# KiCad board oresat-backplane-2u.kicad_pcb (continued)
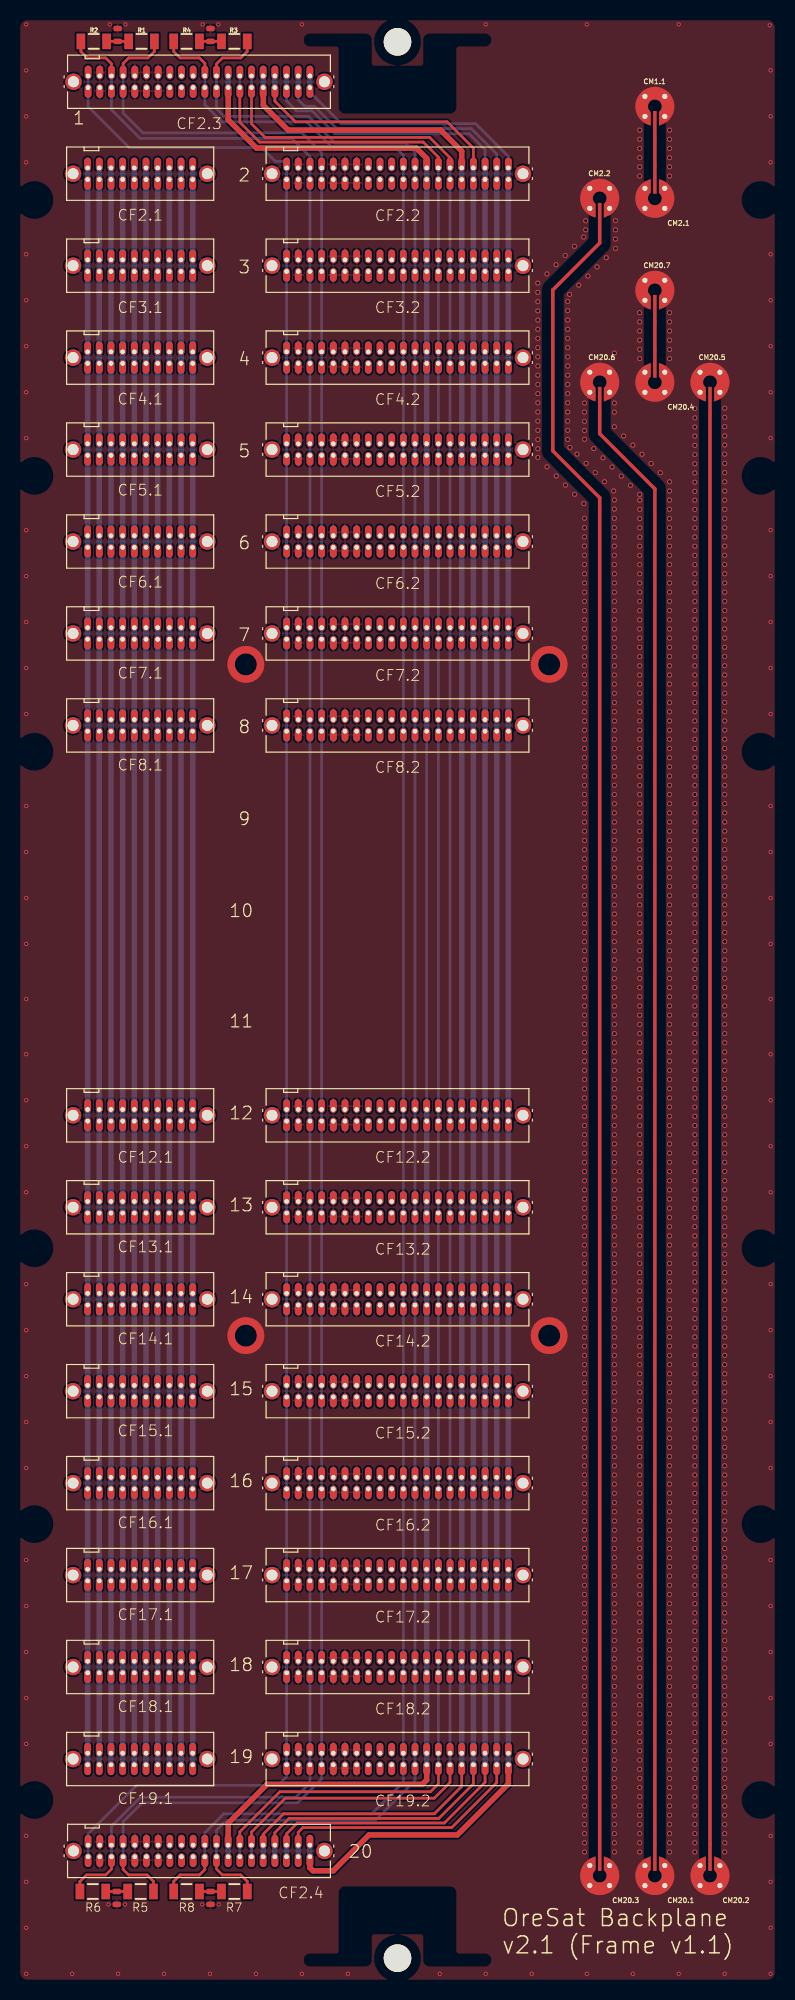
[diagram p0: board, top side]
## Routing (per net, layer and track width the routed paths; a pad name or vN(x,y) marks a point on that pad's centre or on a via; arc(x,y) is an arc through that point)
GND:
  vias: v1(56.52,184.71) v1(56.52,183.71) v1(56.52,182.69) v1(56.52,181.69) v1(56.52,180.69) v1(56.52,179.69) v1(56.52,178.69) v1(56.52,177.69) v1(56.52,176.69) v1(56.52,175.69) v1(56.52,174.69) v1(56.52,173.69) v1(56.52,172.69) v1(56.52,171.7) v1(56.52,170.7) v1(56.52,169.7) v1(56.52,168.7) v1(56.52,167.7) v1(56.52,166.7) v1(56.52,165.75) v1(57.51,185.72) v1(57.52,164.74) v1(58.5,186.71) v1(58.52,163.74) v1(59.5,187.71) v1(59.52,162.74) v1(59.77,182.71) v1(59.77,181.71) v1(59.77,180.7) v1(59.77,179.7) v1(59.77,178.7) v1(59.77,177.7) v1(59.77,176.7) v1(59.77,175.7) v1(59.77,174.7) v1(59.77,173.7) v1(59.77,172.7) v1(59.77,171.7) v1(59.77,170.7) v1(59.77,169.7) v1(59.77,168.7) v1(59.77,167.71) v1(59.97,183.48) v1(60.01,166.84) v1(60.5,188.71) v1(60.52,161.74) v1(60.77,166.11) v1(60.97,184.48) v1(61.51,189.72) v1(61.52,160.74) v1(61.6,171.68) v1(61.6,170.68) v1(61.6,169.68) v1(61.6,168.68) v1(61.6,167.73) v1(61.6,159.14) v1(61.6,158.12) v1(61.6,157.12) v1(61.6,156.12) v1(61.6,155.12) v1(61.6,154.12) v1(61.6,153.1) v1(61.6,152.1) v1(61.6,151.1) v1(61.6,150.1) v1(61.6,149.1) v1(61.6,148.1) v1(61.6,147.1) v1(61.6,146.1) v1(61.6,145.1) v1(61.6,144.1) v1(61.6,143.1) v1(61.6,142.1) v1(61.6,141.1) v1(61.6,140.1) v1(61.6,139.1) v1(61.6,138.1) v1(61.6,137.1) v1(61.6,136.1) v1(61.6,135.1) v1(61.6,134.1) v1(61.6,133.1) v1(61.6,132.1) v1(61.6,131.1) v1(61.6,130.1) v1(61.6,129.1) v1(61.6,128.1) v1(61.6,127.1) v1(61.6,126.1) v1(61.6,125.1) v1(61.6,124.1) v1(61.6,123.1) v1(61.6,122.1) v1(61.6,121.1) v1(61.6,120.1) v1(61.6,119.1) v1(61.6,118.1) v1(61.6,117.1) v1(61.6,116.1) v1(61.6,115.1) v1(61.6,114.1) v1(61.6,113.1) v1(61.6,112.1) v1(61.6,111.1) v1(61.6,110.1) v1(61.6,109.1) v1(61.6,108.1) v1(61.6,107.1) v1(61.6,106.1) v1(61.6,105.1) v1(61.6,104.1) v1(61.6,103.1) v1(61.6,102.1) v1(61.6,101.1) v1(61.6,100.1) v1(61.6,99.1) v1(61.6,98.1) v1(61.6,97.1) v1(61.6,96.1) v1(61.6,95.1) v1(61.6,94.1) v1(61.6,93.1) v1(61.6,92.1) v1(61.6,91.1) v1(61.6,90.1) v1(61.6,89.1) v1(61.6,88.1) v1(61.6,87.1) v1(61.6,86.1) v1(61.6,85.1) v1(61.6,84.1) v1(61.6,83.1) v1(61.6,82.1) v1(61.6,81.1) v1(61.6,80.1) v1(61.6,79.1) v1(61.6,78.1) v1(61.6,77.1) v1(61.6,76.1) v1(61.6,75.1) v1(61.6,74.1) v1(61.6,73.1) v1(61.6,72.1) v1(61.6,71.1) v1(61.6,70.1) v1(61.6,69.1) v1(61.6,68.1) v1(61.6,67.1) v1(61.6,66.1) v1(61.6,65.1) v1(61.6,64.1) v1(61.6,63.1) v1(61.6,62.1) v1(61.6,61.1) v1(61.6,60.1) v1(61.6,59.1) v1(61.6,58.1) v1(61.6,57.1) v1(61.6,56.1) v1(61.6,55.1) v1(61.6,54.1) v1(61.6,53.1) v1(61.6,52.1) v1(61.6,51.1) v1(61.6,50.1) v1(61.6,49.1) v1(61.6,48.1) v1(61.6,47.1) v1(61.6,46.1) v1(61.6,45.1) v1(61.6,44.1) v1(61.6,43.1) v1(61.6,42.1) v1(61.6,41.1) v1(61.6,40.1) v1(61.6,39.1) v1(61.6,38.1) v1(61.6,37.1) v1(61.6,36.1) v1(61.6,35.1) v1(61.6,34.1) v1(61.6,33.1) v1(61.6,32.1) v1(61.6,31.1) v1(61.6,30.1) v1(61.6,29.1) v1(61.6,28.1) v1(61.6,27.1) v1(61.6,26.1) v1(61.6,25.1) v1(61.6,24.1) v1(61.6,23.1) v1(61.6,22.1) v1(61.6,21.1) v1(61.6,20.1) v1(61.6,19.1) v1(61.6,18.1) v1(61.6,17.1) v1(61.6,16.1) v1(61.6,15.1) v1(61.6,14.1) v1(61.72,191.5) v1(61.72,190.51) v1(61.77,165.11) v1(61.97,185.48) v1(62.6,166.71) v1(62.77,164.12) v1(62.97,186.48) v1(63.6,165.71) v1(63.77,163.12) v1(63.97,187.48) v1(64.6,164.72) v1(64.77,162.12) v1(64.85,177.1) v1(64.85,171.68) v1(64.85,170.68) v1(64.85,169.1) v1(64.85,161.13) v1(64.85,160.13) v1(64.85,159.13) v1(64.85,158.11) v1(64.85,157.11) v1(64.85,156.11) v1(64.85,155.11) v1(64.85,154.11) v1(64.85,153.1) v1(64.85,152.1) v1(64.85,151.1) v1(64.85,150.1) v1(64.85,149.1) v1(64.85,148.1) v1(64.85,147.1) v1(64.85,146.1) v1(64.85,145.1) v1(64.85,144.1) v1(64.85,143.1) v1(64.85,142.1) v1(64.85,141.1) v1(64.85,140.1) v1(64.85,139.1) v1(64.85,138.1) v1(64.85,137.1) v1(64.85,136.1) v1(64.85,135.1) v1(64.85,134.1) v1(64.85,133.1) v1(64.85,132.1) v1(64.85,131.1) v1(64.85,130.1) v1(64.85,129.1) v1(64.85,128.1) v1(64.85,127.1) v1(64.85,126.1) v1(64.85,125.1) v1(64.85,124.1) v1(64.85,123.1) v1(64.85,122.1) v1(64.85,121.1) v1(64.85,120.1) v1(64.85,119.1) v1(64.85,118.1) v1(64.85,117.1) v1(64.85,116.1) v1(64.85,115.1) v1(64.85,114.1) v1(64.85,113.1) v1(64.85,112.1) v1(64.85,111.1) v1(64.85,110.1) v1(64.85,109.1) v1(64.85,108.1) v1(64.85,107.1) v1(64.85,106.1) v1(64.85,105.1) v1(64.85,104.1) v1(64.85,103.1) v1(64.85,102.1) v1(64.85,101.1) v1(64.85,100.1) v1(64.85,99.1) v1(64.85,98.1) v1(64.85,97.1) v1(64.85,96.1) v1(64.85,95.1) v1(64.85,94.1) v1(64.85,93.1) v1(64.85,92.1) v1(64.85,91.1) v1(64.85,90.1) v1(64.85,89.1) v1(64.85,88.1) v1(64.85,87.1) v1(64.85,86.1) v1(64.85,85.1) v1(64.85,84.1) v1(64.85,83.1) v1(64.85,82.1) v1(64.85,81.1) v1(64.85,80.1) v1(64.85,79.1) v1(64.85,78.1) v1(64.85,77.1) v1(64.85,76.1) v1(64.85,75.1) v1(64.85,74.1) v1(64.85,73.1) v1(64.85,72.1) v1(64.85,71.1) v1(64.85,70.1) v1(64.85,69.1) v1(64.85,68.1) v1(64.85,67.1) v1(64.85,66.1) v1(64.85,65.1) v1(64.85,64.1) v1(64.85,63.1) v1(64.85,62.1) v1(64.85,61.1) v1(64.85,60.1) v1(64.85,59.1) v1(64.85,58.1) v1(64.85,57.1) v1(64.85,56.1) v1(64.85,55.1) v1(64.85,54.1) v1(64.85,53.1) v1(64.85,52.1) v1(64.85,51.1) v1(64.85,50.1) v1(64.85,49.1) v1(64.85,48.1) v1(64.85,47.1) v1(64.85,46.1) v1(64.85,45.1) v1(64.85,44.1) v1(64.85,43.1) v1(64.85,42.1) v1(64.85,41.1) v1(64.85,40.1) v1(64.85,39.1) v1(64.85,38.1) v1(64.85,37.1) v1(64.85,36.1) v1(64.85,35.1) v1(64.85,34.1) v1(64.85,33.1) v1(64.85,32.1) v1(64.85,31.1) v1(64.85,30.1) v1(64.85,29.1) v1(64.85,28.1) v1(64.85,27.1) v1(64.85,26.1) v1(64.85,25.1) v1(64.85,24.1) v1(64.85,23.1) v1(64.85,22.1) v1(64.85,21.1) v1(64.85,20.1) v1(64.85,19.1) v1(64.85,18.1) v1(64.85,17.1) v1(64.85,16.1) v1(64.85,15.1) v1(64.85,14.1) v1(64.97,191.51) v1(64.97,190.51) v1(64.97,189.49) v1(64.97,188.48) v1(65.6,163.72) v1(65.85,168.09) v1(66.6,162.72) v1(66.85,167.09) v1(67.6,201.35) v1(67.6,200.35) v1(67.6,199.35) v1(67.6,198.35) v1(67.6,197.35) v1(67.6,196.35) v1(67.6,181.5) v1(67.6,180.5) v1(67.6,179.5) v1(67.6,178.5) v1(67.6,177.5) v1(67.6,176.5) v1(67.59,161.73) v1(67.61,161.1) v1(67.61,160.1) v1(67.61,159.1) v1(67.61,158.1) v1(67.62,157.09) v1(67.6,156.1) v1(67.6,155.1) v1(67.6,154.1) v1(67.6,153.1) v1(67.6,152.1) v1(67.6,151.1) v1(67.6,150.1) v1(67.6,149.1) v1(67.6,148.1) v1(67.6,147.1) v1(67.6,146.1) v1(67.6,145.1) v1(67.6,144.1) v1(67.6,143.1) v1(67.6,142.1) v1(67.6,141.1) v1(67.6,140.1) v1(67.6,139.1) v1(67.6,138.1) v1(67.6,137.1) v1(67.6,136.1) v1(67.6,135.1) v1(67.6,134.1) v1(67.6,133.1) v1(67.6,132.1) v1(67.6,131.1) v1(67.6,130.1) v1(67.6,129.1) v1(67.6,128.1) v1(67.6,127.1) v1(67.6,126.1) v1(67.6,125.1) v1(67.6,124.1) v1(67.6,123.1) v1(67.6,122.1) v1(67.6,121.1) v1(67.6,120.1) v1(67.6,119.1) v1(67.6,118.1) v1(67.6,117.1) v1(67.6,116.1) v1(67.6,115.1) v1(67.6,114.1) v1(67.6,113.1) v1(67.6,112.1) v1(67.6,111.1) v1(67.6,110.1) v1(67.6,109.1) v1(67.6,108.1) v1(67.6,107.1) v1(67.6,106.1) v1(67.6,105.1) v1(67.6,104.1) v1(67.6,103.1) v1(67.6,102.1) v1(67.6,101.1) v1(67.6,100.1) v1(67.6,99.1) v1(67.6,98.1) v1(67.6,97.1) v1(67.6,96.1) v1(67.6,95.1) v1(67.6,94.1) v1(67.6,93.1) v1(67.6,92.1) v1(67.6,91.1) v1(67.6,90.1) v1(67.6,89.1) v1(67.6,88.1) v1(67.6,87.1) v1(67.6,86.1) v1(67.6,85.1) v1(67.6,84.1) v1(67.6,83.1) v1(67.6,82.1) v1(67.6,81.1) v1(67.6,80.1) v1(67.6,79.1) v1(67.6,78.1) v1(67.6,77.1) v1(67.6,76.1) v1(67.6,75.1) v1(67.6,74.1) v1(67.6,73.1) v1(67.6,72.1) v1(67.6,71.1) v1(67.6,70.1) v1(67.6,69.1) v1(67.6,68.1) v1(67.6,67.1) v1(67.6,66.1) v1(67.6,65.1) v1(67.6,64.1) v1(67.6,63.1) v1(67.6,62.1) v1(67.6,61.1) v1(67.6,60.1) v1(67.6,59.1) v1(67.6,58.1) v1(67.6,57.1) v1(67.6,56.1) v1(67.6,55.1) v1(67.6,54.1) v1(67.6,53.1) v1(67.6,52.1) v1(67.6,51.1) v1(67.6,50.1) v1(67.6,49.1) v1(67.6,48.1) v1(67.6,47.1) v1(67.6,46.1) v1(67.6,45.1) v1(67.6,44.1) v1(67.6,43.1) v1(67.6,42.1) v1(67.6,41.1) v1(67.6,40.1) v1(67.6,39.1) v1(67.6,38.1) v1(67.6,37.1) v1(67.6,36.1) v1(67.6,35.1) v1(67.6,34.1) v1(67.6,33.1) v1(67.6,32.1) v1(67.6,31.1) v1(67.6,30.1) v1(67.6,29.1) v1(67.6,28.1) v1(67.6,27.1) v1(67.6,26.1) v1(67.6,25.1) v1(67.6,24.1) v1(67.6,23.1) v1(67.6,22.1) v1(67.6,21.1) v1(67.6,20.1) v1(67.6,19.1) v1(67.6,18.1) v1(67.6,17.1) v1(67.6,16.1) v1(67.6,15.1) v1(67.6,14.1) v1(67.85,166.09) v1(68.85,165.09) v1(69.85,164.09) v1(70.85,201.35) v1(70.85,200.35) v1(70.85,199.35) v1(70.85,198.35) v1(70.85,197.35) v1(70.85,196.35) v1(70.85,181.5) v1(70.85,180.5) v1(70.85,179.5) v1(70.85,178.5) v1(70.85,177.5) v1(70.85,176.5) v1(70.84,163.11) v1(70.84,162.11) v1(70.84,161.11) v1(70.84,160.11) v1(70.84,159.11) v1(70.84,158.11) v1(70.85,157.1) v1(70.85,156.1) v1(70.85,155.1) v1(70.85,154.1) v1(70.85,153.1) v1(70.85,152.1) v1(70.85,151.1) v1(70.85,150.1) v1(70.85,149.1) v1(70.85,148.1) v1(70.85,147.1) v1(70.85,146.1) v1(70.85,145.1) v1(70.85,144.1) v1(70.85,143.1) v1(70.85,142.1) v1(70.85,141.1) v1(70.85,140.1) v1(70.85,139.1) v1(70.85,138.1) v1(70.85,137.1) v1(70.85,136.1) v1(70.85,135.1) v1(70.85,134.1) v1(70.85,133.1) v1(70.85,132.1) v1(70.85,131.1) v1(70.85,130.1) v1(70.85,129.1) v1(70.85,128.1) v1(70.85,127.1) v1(70.85,126.1) v1(70.85,125.1) v1(70.85,124.1) v1(70.85,123.1) v1(70.85,122.1) v1(70.85,121.1) v1(70.85,120.1) v1(70.85,119.1) v1(70.85,118.1) v1(70.85,117.1) v1(70.85,116.1) v1(70.85,115.1) v1(70.85,114.1) v1(70.85,113.1) v1(70.85,112.1) v1(70.85,111.1) v1(70.85,110.1) v1(70.85,109.1) v1(70.85,108.1) v1(70.85,107.1) v1(70.85,106.1) v1(70.85,105.1) v1(70.85,104.1) v1(70.85,103.1) v1(70.85,102.1) v1(70.85,101.1) v1(70.85,100.1) v1(70.85,99.1) v1(70.85,98.1) v1(70.85,97.1) v1(70.85,96.1) v1(70.85,95.1) v1(70.85,94.1) v1(70.85,93.1) v1(70.85,92.1) v1(70.85,91.1) v1(70.85,90.1) v1(70.85,89.1) v1(70.85,88.1) v1(70.85,87.1) v1(70.85,86.1) v1(70.85,85.1) v1(70.85,84.1) v1(70.85,83.1) v1(70.85,82.1) v1(70.85,81.1) v1(70.85,80.1) v1(70.85,79.1) v1(70.85,78.1) v1(70.85,77.1) v1(70.85,76.1) v1(70.85,75.1) v1(70.85,74.1) v1(70.85,73.1) v1(70.85,72.1) v1(70.85,71.1) v1(70.85,70.1) v1(70.85,69.1) v1(70.85,68.1) v1(70.85,67.1) v1(70.85,66.1) v1(70.85,65.1) v1(70.85,64.1) v1(70.85,63.1) v1(70.85,62.1) v1(70.85,61.1) v1(70.85,60.1) v1(70.85,59.1) v1(70.85,58.1) v1(70.85,57.1) v1(70.85,56.1) v1(70.85,55.1) v1(70.85,54.1) v1(70.85,53.1) v1(70.85,52.1) v1(70.85,51.1) v1(70.85,50.1) v1(70.85,49.1) v1(70.85,48.1) v1(70.85,47.1) v1(70.85,46.1) v1(70.85,45.1) v1(70.85,44.1) v1(70.85,43.1) v1(70.85,42.1) v1(70.85,41.1) v1(70.85,40.1) v1(70.85,39.1) v1(70.85,38.1) v1(70.85,37.1) v1(70.85,36.1) v1(70.85,35.1) v1(70.85,34.1) v1(70.85,33.1) v1(70.85,32.1) v1(70.85,31.1) v1(70.85,30.1) v1(70.85,29.1) v1(70.85,28.1) v1(70.85,27.1) v1(70.85,26.1) v1(70.85,25.1) v1(70.85,24.1) v1(70.85,23.1) v1(70.85,22.1) v1(70.85,21.1) v1(70.85,20.1) v1(70.85,19.1) v1(70.85,18.1) v1(70.85,17.1) v1(70.85,16.1) v1(70.85,15.1) v1(70.85,14.1) v1(73.6,171.06) v1(73.6,170.06) v1(73.6,169.06) v1(73.6,168.06) v1(73.6,167.06) v1(73.6,166.06) v1(73.6,165.06) v1(73.6,164.06) v1(73.6,163.06) v1(73.6,162.06) v1(73.6,161.1) v1(73.6,160.1) v1(73.6,159.1) v1(73.6,158.1) v1(73.6,157.1) v1(73.6,156.1) v1(73.6,155.1) v1(73.6,154.1) v1(73.6,153.1) v1(73.6,152.1) v1(73.6,151.1) v1(73.6,150.1) v1(73.6,149.1) v1(73.6,148.1) v1(73.6,147.1) v1(73.6,146.1) v1(73.6,145.1) v1(73.6,144.1) v1(73.6,143.1) v1(73.6,142.1) v1(73.6,141.1) v1(73.6,140.1) v1(73.6,139.1) v1(73.6,138.1) v1(73.6,137.1) v1(73.6,136.1) v1(73.6,135.1) v1(73.6,134.1) v1(73.6,133.1) v1(73.6,132.1) v1(73.6,131.1) v1(73.6,130.1) v1(73.6,129.1) v1(73.6,128.1) v1(73.6,127.1) v1(73.6,126.1) v1(73.6,125.1) v1(73.6,124.1) v1(73.6,123.1) v1(73.6,122.1) v1(73.6,121.1) v1(73.6,120.1) v1(73.6,119.1) v1(73.6,118.1) v1(73.6,117.1) v1(73.6,116.1) v1(73.6,115.1) v1(73.6,114.1) v1(73.6,113.1) v1(73.6,112.1) v1(73.6,111.1) v1(73.6,110.1) v1(73.6,109.1) v1(73.6,108.1) v1(73.6,107.1) v1(73.6,106.1) v1(73.6,105.1) v1(73.6,104.1) v1(73.6,103.1) v1(73.6,102.1) v1(73.6,101.1) v1(73.6,100.1) v1(73.6,99.1) v1(73.6,98.1) v1(73.6,97.1) v1(73.6,96.1) v1(73.6,95.1) v1(73.6,94.1) v1(73.6,93.1) v1(73.6,92.1) v1(73.6,91.1) v1(73.6,90.1) v1(73.6,89.1) v1(73.6,88.1) v1(73.6,87.1) v1(73.6,86.1) v1(73.6,85.1) v1(73.6,84.1) v1(73.6,83.1) v1(73.6,82.1) v1(73.6,81.1) v1(73.6,80.1) v1(73.6,79.1) v1(73.6,78.1) v1(73.6,77.1) v1(73.6,76.1) v1(73.6,75.1) v1(73.6,74.1) v1(73.6,73.1) v1(73.6,72.1) v1(73.6,71.1) v1(73.6,70.1) v1(73.6,69.1) v1(73.6,68.1) v1(73.6,67.1) v1(73.6,66.1) v1(73.6,65.1) v1(73.6,64.1) v1(73.6,63.1) v1(73.6,62.1) v1(73.6,61.1) v1(73.6,60.1) v1(73.6,59.1) v1(73.6,58.1) v1(73.6,57.1) v1(73.6,56.1) v1(73.6,55.1) v1(73.6,54.1) v1(73.6,53.1) v1(73.6,52.1) v1(73.6,51.1) v1(73.6,50.1) v1(73.6,49.1) v1(73.6,48.1) v1(73.6,47.1) v1(73.6,46.1) v1(73.6,45.1) v1(73.6,44.1) v1(73.6,43.1) v1(73.6,42.1) v1(73.6,41.1) v1(73.6,40.1) v1(73.6,39.1) v1(73.6,38.1) v1(73.6,37.1) v1(73.6,36.1) v1(73.6,35.1) v1(73.6,34.1) v1(73.6,33.1) v1(73.6,32.1) v1(73.6,31.1) v1(73.6,30.1) v1(73.6,29.1) v1(73.6,28.1) v1(73.6,27.1) v1(73.6,26.1) v1(73.6,25.1) v1(73.6,24.1) v1(73.6,23.1) v1(73.6,22.1) v1(73.6,21.1) v1(73.6,20.1) v1(73.6,19.1) v1(73.6,18.1) v1(73.6,17.1) v1(73.6,16.1) v1(73.6,15.1) v1(73.6,14.1) v1(76.85,171.11) v1(76.85,170.11) v1(76.85,169.11) v1(76.85,168.11) v1(76.85,167.11) v1(76.85,166.11) v1(76.85,165.11) v1(76.85,164.11) v1(76.85,163.11) v1(76.85,162.11) v1(76.85,161.11) v1(76.85,160.11) v1(76.85,159.11) v1(76.85,158.11) v1(76.85,157.11) v1(76.85,156.11) v1(76.85,155.11) v1(76.85,154.11) v1(76.85,153.11) v1(76.85,152.11) v1(76.85,151.11) v1(76.85,150.11) v1(76.85,149.11) v1(76.85,148.11) v1(76.85,147.11) v1(76.85,146.11) v1(76.85,145.11) v1(76.85,144.11) v1(76.85,143.11) v1(76.85,142.11) v1(76.85,141.11) v1(76.85,140.11) v1(76.85,139.11) v1(76.85,138.11) v1(76.85,137.11) v1(76.85,136.11) v1(76.85,135.11) v1(76.85,134.11) v1(76.85,133.11) v1(76.85,132.11) v1(76.85,131.11) v1(76.85,130.11) v1(76.85,129.11) v1(76.85,128.11) v1(76.85,127.11) v1(76.85,126.11) v1(76.85,125.11) v1(76.85,124.11) v1(76.85,123.11) v1(76.85,122.11) v1(76.85,121.11) v1(76.85,120.11) v1(76.85,119.11) v1(76.85,118.11) v1(76.85,117.11) v1(76.85,116.11) v1(76.85,115.11) v1(76.85,114.11) v1(76.85,113.1) v1(76.85,112.1) v1(76.85,111.1) v1(76.85,110.1) v1(76.85,109.1) v1(76.85,108.1) v1(76.85,107.1) v1(76.85,106.1) v1(76.85,105.1) v1(76.85,104.1) v1(76.85,103.1) v1(76.85,102.1) v1(76.85,101.1) v1(76.85,100.1) v1(76.85,99.1) v1(76.85,98.1) v1(76.85,97.1) v1(76.85,96.1) v1(76.85,95.1) v1(76.85,94.1) v1(76.85,93.1) v1(76.85,92.1) v1(76.85,91.1) v1(76.85,90.1) v1(76.85,89.1) v1(76.85,88.1) v1(76.85,87.1) v1(76.85,86.1) v1(76.85,85.1) v1(76.85,84.1) v1(76.85,83.1) v1(76.85,82.1) v1(76.85,81.1) v1(76.85,80.1) v1(76.85,79.1) v1(76.85,78.1) v1(76.85,77.1) v1(76.85,76.1) v1(76.85,75.1) v1(76.85,74.1) v1(76.85,73.1) v1(76.85,72.1) v1(76.85,71.1) v1(76.85,70.1) v1(76.85,69.1) v1(76.85,68.1) v1(76.85,67.1) v1(76.85,66.1) v1(76.85,65.1) v1(76.85,64.1) v1(76.85,63.1) v1(76.85,62.1) v1(76.85,61.1) v1(76.85,60.1) v1(76.85,59.1) v1(76.85,58.1) v1(76.85,57.1) v1(76.85,56.1) v1(76.85,55.1) v1(76.85,54.1) v1(76.85,53.1) v1(76.85,52.1) v1(76.85,51.1) v1(76.85,50.1) v1(76.85,49.1) v1(76.85,48.1) v1(76.85,47.1) v1(76.85,46.1) v1(76.85,45.1) v1(76.85,44.1) v1(76.85,43.1) v1(76.85,42.1) v1(76.85,41.1) v1(76.85,40.1) v1(76.85,39.1) v1(76.85,38.1) v1(76.85,37.1) v1(76.85,36.1) v1(76.85,35.1) v1(76.85,34.1) v1(76.85,33.1) v1(76.85,32.1) v1(76.85,31.1) v1(76.85,30.1) v1(76.85,29.1) v1(76.85,28.1) v1(76.85,27.1) v1(76.85,26.1) v1(76.85,25.1) v1(76.85,24.1) v1(76.85,23.1) v1(76.85,22.1) v1(76.85,21.1) v1(76.85,20.1) v1(76.85,19.1) v1(76.85,18.1) v1(76.85,17.1) v1(76.85,16.1) v1(76.85,15.1) v1(76.85,14.1) v2(0.85,212.85) v2(0.85,207.85) v2(0.85,202.85) v2(0.85,197.85) v2(0.85,187.85) v2(0.85,182.85) v2(0.85,177.85) v2(0.85,172.85) v2(0.85,167.85) v2(0.85,157.85) v2(0.85,152.85) v2(0.85,147.85) v2(0.85,142.85) v2(0.85,137.85) v2(0.85,127.85) v2(0.85,122.85) v2(0.85,117.85) v2(0.85,112.85) v2(0.85,106.85) v2(0.85,100.85) v2(0.85,95.85) v2(0.85,90.85) v2(0.85,85.85) v2(0.85,75.85) v2(0.85,70.85) v2(0.85,65.85) v2(0.85,60.85) v2(0.85,55.85) v2(0.85,45.85) v2(0.85,40.85) v2(0.85,35.85) v2(0.85,30.85) v2(0.85,25.85) v2(0.85,15.85) v2(0.85,10.85) v2(0.85,5.85) v2(0.85,0.85) v2(5.85,0.85) v2(9.8,8.4) v2(9.95,212.85) v2(10.85,0.85) v2(11.65,212.85) v2(11.6,8.4) v2(15.85,0.85) v2(20.05,212.85) v2(20,8.4) v2(20.85,0.85) v2(21.75,212.85) v2(21.8,8.4) v2(25.85,0.85) v2(30.85,212.85) v2(30.85,0.85) v2(35.85,0.85) v2(45.85,0.85) v2(50.85,212.85) v2(50.85,0.85) v2(55.85,0.85) v2(61.85,212.85) v2(61.85,0.85) v2(66.85,0.85) v2(71.85,212.85) v2(71.85,0.85) v2(76.85,0.85) v2(81.75,212.75) v2(81.85,207.85) v2(81.85,202.85) v2(81.85,197.85) v2(81.85,187.85) v2(81.85,182.85) v2(81.85,177.85) v2(81.85,172.85) v2(81.85,167.85) v2(81.85,157.85) v2(81.85,152.85) v2(81.85,147.85) v2(81.85,142.85) v2(81.85,137.85) v2(81.85,127.85) v2(81.85,122.85) v2(81.85,117.85) v2(81.85,112.85) v2(81.85,106.85) v2(81.85,100.85) v2(81.85,95.85) v2(81.85,90.85) v2(81.85,85.85) v2(81.85,75.85) v2(81.85,70.85) v2(81.85,65.85) v2(81.85,60.85) v2(81.85,55.85) v2(81.85,45.85) v2(81.85,40.85) v2(81.85,35.85) v2(81.85,30.85) v2(81.85,25.85) v2(81.85,15.85) v2(81.85,10.85) v2(81.85,5.85) v2(81.85,0.85) v3(24.75,143.25) v3(24.75,70.25) v3(57.75,143.25) v3(57.75,70.25)
AUX-1: length 173.7
  Bottom w0.6: CF19.1.1 CF19.1.2 CF18.1.1 CF18.1.2 CF17.1.1 CF17.1.2 CF16.1.1 CF16.1.2 CF15.1.1 CF15.1.2 CF14.1.1 CF14.1.2 CF13.1.1 CF13.1.2 CF12.1.1 CF12.1.2 CF8.1.1 CF8.1.2 CF7.1.1 CF7.1.2 CF6.1.1 CF6.1.2 CF5.1.1 CF5.1.2 CF4.1.1 CF4.1.2 CF3.1.1 CF3.1.2 CF2.1.1 CF2.1.2
AUX-2: length 178.8
  Bottom w0.6: CF2.1.4 CF2.1.3 CF3.1.4 CF3.1.3 CF4.1.3 ; CF13.1.3 CF14.1.4 CF14.1.3 CF15.1.4 CF15.1.3 CF16.1.4 CF16.1.3 CF17.1.4 CF17.1.3 CF18.1.4 CF18.1.3 CF19.1.4 CF19.1.3 ; CF13.1.3 CF12.1.3 CF12.1.4 CF8.1.3 CF8.1.4 CF7.1.3 CF7.1.4 CF6.1.3 ; CF13.1.3 CF13.1.4 ; CF5.1.4 CF5.1.3 ; CF5.1.3 CF6.1.3 ; CF5.1.3 CF4.1.3 ; CF4.1.4 CF4.1.3 ; CF6.1.3 CF6.1.4
AUX-3: length 180
  Bottom w0.6: CF8.1.6 CF8.1.5 ; CF8.1.5 CF12.1.6 CF12.1.5 CF13.1.6 CF13.1.5 CF14.1.6 CF14.1.5 CF15.1.6 CF15.1.5 CF16.1.6 CF16.1.5 CF17.1.6 CF17.1.5 CF18.1.6 CF18.1.5 CF19.1.6 CF19.1.5 ; CF8.1.5 CF7.1.5 ; CF4.1.5 CF3.1.5 CF3.1.6 CF2.1.5 CF2.1.6 ; CF4.1.5 CF4.1.6 ; CF4.1.5 CF5.1.5 ; CF6.1.5 CF5.1.5 ; CF6.1.5 CF6.1.6 ; CF6.1.5 CF7.1.5 ; CF5.1.5 CF5.1.6 ; CF7.1.5 CF7.1.6
AUX-4: length 177.5
  Bottom w0.6: CF6.1.7 CF7.1.8 CF7.1.7 CF8.1.8 CF8.1.7 CF12.1.8 CF12.1.7 CF13.1.8 CF13.1.7 CF14.1.8 CF14.1.7 CF15.1.8 CF15.1.7 CF16.1.8 CF16.1.7 CF17.1.8 CF17.1.7 CF18.1.8 CF18.1.7 CF19.1.8 CF19.1.7 ; CF6.1.7 CF6.1.8 ; CF6.1.7 CF5.1.7 ; CF4.1.7 CF3.1.7 CF3.1.8 CF2.1.7 CF2.1.8 ; CF4.1.7 CF4.1.8 ; CF4.1.7 CF5.1.7 ; CF5.1.8 CF5.1.7
AUX-5: length 178.7
  Bottom w0.6: CF19.1.9 CF19.1.10 CF18.1.9 CF18.1.10 CF17.1.9 CF17.1.10 CF16.1.9 CF16.1.10 CF15.1.9 CF15.1.10 CF14.1.9 CF14.1.10 CF13.1.9 CF13.1.10 CF12.1.9 CF12.1.10 CF8.1.9 CF8.1.10 CF7.1.9 ; CF4.1.10 CF4.1.9 ; CF4.1.9 CF5.1.9 ; CF4.1.9 CF3.1.9 CF3.1.10 CF2.1.9 CF2.1.10 ; CF5.1.9 CF6.1.9 ; CF5.1.9 CF5.1.10 ; CF6.1.9 CF6.1.10 ; CF6.1.9 CF7.1.9 ; CF7.1.9 CF7.1.10
AUX-6: length 181.3
  Bottom w0.6: CF5.1.12 CF5.1.11 ; CF5.1.11 CF4.1.11 ; CF5.1.11 CF6.1.11 ; CF2.1.12 CF2.1.11 CF3.1.12 CF3.1.11 CF4.1.11 ; CF4.1.11 CF4.1.12 ; CF7.1.12 CF7.1.11 ; CF7.1.11 CF8.1.11 ; CF7.1.11 CF6.1.11 ; CF6.1.12 CF6.1.11 ; CF19.1.11 CF19.1.12 CF18.1.11 CF18.1.12 CF17.1.11 CF17.1.12 CF16.1.11 CF16.1.12 CF15.1.11 CF15.1.12 CF14.1.11 ; CF14.1.11 CF14.1.12 ; CF14.1.11 CF13.1.11 CF13.1.12 CF12.1.11 CF12.1.12 CF8.1.11 ; CF8.1.12 CF8.1.11
AUX-7: length 180
  Bottom w0.6: CF4.1.14 CF4.1.13 ; CF4.1.13 CF5.1.13 ; CF4.1.13 CF3.1.13 CF3.1.14 CF2.1.13 CF2.1.14 ; CF6.1.13 CF5.1.13 ; CF6.1.13 CF6.1.14 ; CF6.1.13 CF7.1.13 ; CF5.1.13 CF5.1.14 ; CF8.1.13 CF7.1.13 ; CF8.1.13 CF12.1.14 CF12.1.13 CF13.1.14 CF13.1.13 CF14.1.14 CF14.1.13 CF15.1.14 CF15.1.13 CF16.1.14 CF16.1.13 CF17.1.14 CF17.1.13 CF18.1.14 CF18.1.13 CF19.1.14 CF19.1.13 ; CF8.1.13 CF8.1.14 ; CF7.1.13 CF7.1.14
AUX-8: length 180
  Bottom w0.6: CF7.1.15 CF6.1.15 ; CF7.1.15 CF8.1.15 ; CF7.1.15 CF7.1.16 ; CF6.1.15 CF6.1.16 ; CF6.1.15 CF5.1.15 ; CF5.1.15 CF4.1.15 ; CF5.1.15 CF5.1.16 ; CF4.1.15 CF3.1.15 CF3.1.16 CF2.1.15 CF2.1.16 ; CF4.1.15 CF4.1.16 ; CF8.1.15 10.07,135.68 10.05,135.65 10.07,135.63 CF12.1.16 CF12.1.15 CF13.1.16 CF13.1.15 CF14.1.16 CF14.1.15 CF15.1.16 CF15.1.15 CF16.1.16 CF16.1.15 CF17.1.16 CF17.1.15 CF18.1.16 CF18.1.15 CF19.1.16 CF19.1.15 ; CF8.1.15 CF8.1.16
AUX-9: length 182.6
  Bottom w0.6: CF7.1.17 CF6.1.17 ; CF7.1.17 CF7.1.18 ; CF7.1.17 CF8.1.17 ; CF6.1.17 CF5.1.17 ; CF6.1.17 CF6.1.18 ; CF13.1.18 CF13.1.17 ; CF13.1.17 CF14.1.17 ; CF13.1.17 CF12.1.17 CF12.1.18 CF8.1.17 ; CF14.1.17 CF14.1.18 ; CF14.1.17 CF15.1.18 CF15.1.17 CF16.1.18 CF16.1.17 CF17.1.18 CF17.1.17 CF18.1.18 CF18.1.17 CF19.1.18 CF19.1.17 ; CF8.1.17 CF8.1.18 ; CF2.1.18 CF2.1.17 CF3.1.18 CF3.1.17 CF4.1.17 ; CF5.1.17 CF4.1.17 ; CF5.1.17 CF5.1.18 ; CF4.1.17 CF4.1.18
AUX-10: length 173.7
  Bottom w0.6: CF19.1.19 CF19.1.20 CF18.1.19 CF18.1.20 CF17.1.19 CF17.1.20 CF16.1.19 CF16.1.20 CF15.1.19 CF15.1.20 CF14.1.19 CF14.1.20 CF13.1.19 CF13.1.20 CF12.1.19 CF12.1.20 CF8.1.19 CF8.1.20 CF7.1.19 CF7.1.20 CF6.1.19 CF6.1.20 CF5.1.19 CF5.1.20 CF4.1.19 CF4.1.20 CF3.1.19 CF3.1.20 CF2.1.19 CF2.1.20
CAN1_H: length 244.3
  Top w0.3: CF2.3.34 11.4,208.6 12,209.2 14.1,209.2 14.8,209.9 R1.1 ; CF2.4.33 11.4,12.21 12,11.6 14,11.6 14.7,10.9 R5.1
  Bottom w0.3: CF2.4.33 CF2.4.34 11.4,17.39 13.46,19.45 30.39,19.45 33,22.06 CF19.2.33 CF19.2.34 CF18.2.33 CF18.2.34 CF17.2.33 CF17.2.34 CF16.2.33 CF16.2.34 CF15.2.33 CF15.2.34 CF14.2.33 CF14.2.34 CF13.2.33 CF13.2.34 CF12.2.33 CF12.2.34 CF8.2.33 CF8.2.34 CF7.2.33 CF7.2.34 CF6.2.33 CF6.2.34 CF5.2.33 CF5.2.34 CF4.2.33 CF4.2.34 CF3.2.33 CF3.2.34 CF2.2.33 CF2.2.34 33,198.91 30.85,201.05 13.55,201.05 11.4,203.21 CF2.3.33 CF2.3.34
CAN1_L: length 243.9
  Top w0.3: R2.1 6.8,209.9 7.5,209.2 9.5,209.2 10.12,208.58 CF2.3.36 ; CF2.4.35 10.12,12.23 9.5,11.6 7.4,11.6 6.7,10.9 R6.1
  Bottom w0.3: CF2.3.36 CF2.3.35 10.12,203.58 13.25,200.45 29.75,200.45 31.72,198.48 CF2.2.36 CF2.2.35 CF3.2.36 CF3.2.35 CF4.2.36 CF4.2.35 CF5.2.36 CF5.2.35 CF6.2.36 CF6.2.35 CF7.2.36 CF7.2.35 CF8.2.36 CF8.2.35 CF12.2.36 CF12.2.35 CF13.2.36 CF13.2.35 CF14.2.36 CF14.2.35 CF15.2.36 CF15.2.35 CF16.2.36 CF16.2.35 CF17.2.36 CF17.2.35 CF18.2.36 CF18.2.35 CF19.2.36 CF19.2.35 31.72,21.6 30.18,20.05 13.29,20.05 10.12,16.89 CF2.4.36 CF2.4.35
CAN2_H: length 243.6
  Top w0.3: R3.1 24.9,209.9 24.2,209.2 22.2,209.2 21.56,208.56 CF2.3.18 ; CF2.4.17 21.56,12.25 22.2,11.6 24.2,11.6 24.9,10.9 R7.1
  Bottom w0.3: CF2.3.18 CF2.3.17 21.56,203.68 22.39,202.85 31.55,202.85 34.45,199.95 42.15,199.95 43.16,198.95 CF2.2.18 CF2.2.17 CF3.2.18 CF3.2.17 CF4.2.18 CF4.2.17 CF5.2.18 CF5.2.17 CF6.2.18 CF6.2.17 CF7.2.18 CF7.2.17 CF8.2.18 CF8.2.17 CF12.2.18 CF12.2.17 CF13.2.18 CF13.2.17 CF14.2.18 CF14.2.17 CF15.2.18 CF15.2.17 CF16.2.18 CF16.2.17 CF17.2.18 CF17.2.17 CF18.2.18 CF18.2.17 CF19.2.18 CF19.2.17 43.16,21.86 38.85,17.55 22.65,17.55 21.56,16.46 CF2.4.18 CF2.4.17
CAN2_L: length 243.2
  Top w0.3: R8.1 16.9,10.9 17.6,11.6 19.7,11.6 20.28,12.19 CF2.4.19 ; R4.1 16.9,209.9 17.6,209.2 19.7,209.2 20.3,208.6 20.3,207.26 CF2.3.20
  Bottom w0.3: CF2.4.19 CF2.4.20 20.28,16.19 22.35,18.25 38.45,18.25 41.88,21.69 CF19.2.19 CF19.2.20 CF18.2.19 CF18.2.20 CF17.2.19 CF17.2.20 CF16.2.19 CF16.2.20 CF15.2.19 CF15.2.20 CF14.2.19 CF14.2.20 CF13.2.19 CF13.2.20 CF12.2.19 CF12.2.20 CF8.2.19 CF8.2.20 CF7.2.19 CF7.2.20 CF6.2.19 CF6.2.20 CF5.2.19 CF5.2.20 CF4.2.19 CF4.2.20 CF3.2.19 CF3.2.20 CF2.2.19 CF2.2.20 41.88,198.62 41.15,199.35 34.25,199.35 31.35,202.25 22.15,202.25 20.28,204.12 CF2.3.19 CF2.3.20
L-GPS: length 3
  Top w0.38: CM20.7.RF-DOWN CM20.4.RF-DOWN
L-TURNSTILE: length 155.4
  Top w0.38: CM20.2.RF-DOWN CM20.5.RF-DOWN
OPD_PWR: length 231.7
  Top w0.6: CF2.4.16 22.82,17.23 27.05,21.45 43.95,21.45 44.43,21.93 CF19.2.15 ; CF2.3.15 22.82,202.48 25.9,199.4 43.3,199.4 44.43,198.28 CF2.2.16
  Bottom w0.3: CF12.2.16 CF8.2.15
  Bottom w0.6: CF8.2.15 CF8.2.16 CF7.2.15 CF7.2.16 CF6.2.15 CF6.2.16 CF5.2.15 CF5.2.16 CF4.2.15 CF4.2.16 CF3.2.15 CF3.2.16 CF2.2.15 CF2.2.16 ; CF2.4.16 CF2.4.15 ; CF2.3.16 CF2.3.15 ; CF19.2.15 CF19.2.16 CF18.2.15 CF18.2.16 CF17.2.15 CF17.2.16 CF16.2.15 CF16.2.16 CF15.2.15 CF15.2.16 CF14.2.15 CF14.2.16 CF13.2.15 CF13.2.16 CF12.2.15 CF12.2.16
OPD_SCL: length 231.6
  Top w0.3: CF2.3.13 24.09,202.21 26.25,200.05 44.05,200.05 45.69,198.41 CF2.2.14 ; CF19.2.13 45.69,21.5 44.84,20.65 28.45,20.65 24.09,16.3 CF2.4.14
  Bottom w0.3: CF2.3.14 CF2.3.13 ; CF2.4.14 CF2.4.13 ; CF19.2.13 CF19.2.14 CF18.2.13 CF18.2.14 CF17.2.13 CF17.2.14 CF16.2.13 CF16.2.14 CF15.2.13 CF15.2.14 CF14.2.13 CF14.2.14 CF13.2.13 CF13.2.14 CF12.2.13 CF12.2.14 CF8.2.13 CF8.2.14 CF7.2.13 CF7.2.14 CF6.2.13 CF6.2.14 CF5.2.13 CF5.2.14 CF4.2.13 CF4.2.14 CF3.2.13 CF3.2.14 CF2.2.13 CF2.2.14
OPD_SDA: length 232.8
  Top w0.3: CF19.2.11 46.97,21.67 45.25,19.95 29.05,19.95 25.37,16.27 CF2.4.12 ; CF2.3.11 25.37,202.04 26.85,200.55 44.75,200.55 46.97,198.34 CF2.2.12
  Bottom w0.3: CF14.2.12 CF15.2.12 CF15.2.11 CF16.2.12 CF16.2.11 CF17.2.12 CF17.2.11 CF18.2.12 CF18.2.11 CF19.2.12 CF19.2.11 ; CF14.2.12 CF13.2.11 CF13.2.12 CF12.2.11 CF12.2.12 CF8.2.11 CF8.2.12 CF7.2.11 CF7.2.12 CF6.2.11 CF6.2.12 CF5.2.11 CF5.2.12 CF4.2.11 CF4.2.12 CF3.2.11 CF3.2.12 CF2.2.11 CF2.2.12 ; CF14.2.12 CF14.2.11 ; CF2.3.12 CF2.3.11 ; CF2.4.12 CF2.4.11
S-HELICAL: length 3
  Top w0.38: CM1.1.RF-DOWN CM2.1.RF-DOWN
S-TURNSTILE: length 179.6
  Top w0.38: CM20.3.RF-DOWN 63.25,161.37 58.15,166.47 58.15,183.97 63.25,189.07 CM2.2.RF-DOWN
SPARE1: length 230.9
  Top w0.3: 26.65,205.96 CF2.3.9 ; CF2.4.10 26.63,16.04 28.85,18.25 45.25,18.25 48.23,21.24 CF19.2.9
  Top w0.6: 26.65,205.96 26.65,204.05 29.35,201.35 45.95,201.35 48.23,199.06 CF2.2.10
  Bottom w0.6: CF2.2.10 CF2.2.9 CF3.2.10 CF3.2.9 CF4.2.10 CF4.2.9 CF5.2.10 CF5.2.9 CF6.2.10 CF6.2.9 CF7.2.10 CF7.2.9 CF8.2.10 CF8.2.9 CF12.2.10 CF12.2.9 CF13.2.10 CF13.2.9 CF14.2.10 CF14.2.9 CF15.2.10 CF15.2.9 CF16.2.10 CF16.2.9 CF17.2.10 CF17.2.9 CF18.2.10 CF18.2.9 CF19.2.10 CF19.2.9 ; CF2.3.10 CF2.3.9 ; CF2.4.9 CF2.4.10
SPARE2: length 230.8
  Top w0.3: CF2.2.8 49.5,199.4 46.65,202.25 30.15,202.25 27.91,204.5 CF2.3.7 ; CF2.4.8 27.91,16.21 29.45,17.75 45.75,17.75 49.5,21.51 CF19.2.7
  Bottom w0.6: CF2.2.8 CF2.2.7 CF3.2.8 CF3.2.7 CF4.2.8 CF4.2.7 CF5.2.8 CF5.2.7 CF6.2.8 CF6.2.7 CF7.2.8 CF7.2.7 CF8.2.8 CF8.2.7 CF12.2.8 CF12.2.7 CF13.2.8 CF13.2.7 CF14.2.8 CF14.2.7 CF15.2.8 CF15.2.7 CF16.2.8 CF16.2.7 CF17.2.8 CF17.2.7 CF18.2.8 CF18.2.7 CF19.2.8 CF19.2.7 ; CF2.3.8 CF2.3.7 ; CF2.4.7 CF2.4.8
SPARE3: length 230.5
  Top w0.3: CF2.4.6 29.18,16.08 30.35,17.25 46.35,17.25 50.78,21.68 CF19.2.5
  Bottom w0.3: CF2.3.5 29.18,204.53 30.25,203.45 31.95,203.45 34.45,200.95 49.05,200.95 50.78,199.23 CF2.2.6
  Bottom w0.6: CF2.3.6 CF2.3.5 ; CF19.2.5 CF19.2.6 CF18.2.5 CF18.2.6 CF17.2.5 CF17.2.6 CF16.2.5 CF16.2.6 CF15.2.5 CF15.2.6 CF14.2.5 CF14.2.6 CF13.2.5 CF13.2.6 CF12.2.5 CF12.2.6 CF8.2.5 CF8.2.6 CF7.2.5 CF7.2.6 CF6.2.5 CF6.2.6 CF5.2.5 CF5.2.6 CF4.2.5 CF4.2.6 CF3.2.5 CF3.2.6 CF2.2.5 CF2.2.6 ; CF2.4.5 CF2.4.6
SPARE4: length 230.3
  Top w0.3: CF19.2.3 52.04,21.65 47.15,16.75 30.95,16.75 30.44,16.25 CF2.4.4
  Bottom w0.3: CF2.3.3 30.44,204.66 31.15,203.95 32.2,203.95 34.63,201.52 49.28,201.52 52.05,198.75 52.04,198.75 CF2.2.4
  Bottom w0.6: CF2.3.4 CF2.3.3 ; CF19.2.3 CF19.2.4 CF18.2.3 CF18.2.4 CF17.2.3 CF17.2.4 CF16.2.3 CF16.2.4 CF15.2.3 CF15.2.4 CF14.2.3 CF14.2.4 CF13.2.3 CF13.2.4 CF12.2.3 CF12.2.4 CF8.2.3 CF8.2.4 CF7.2.3 CF7.2.4 CF6.2.3 CF6.2.4 CF5.2.3 CF5.2.4 CF4.2.3 CF4.2.4 CF3.2.3 CF3.2.4 CF2.2.3 CF2.2.4 ; CF2.4.3 CF2.4.4
SPARE5: length 231.3
  Top w0.6: CF2.4.1 31.72,12.38 32.05,12.05 34.25,12.05 38.15,15.95 47.75,15.95 53.31,21.52 CF19.2.1
  Bottom w0.3: CF2.3.1 31.75,205.94 31.75,205.45 35.15,202.05 49.75,202.05 53.31,198.49 CF2.2.2
  Bottom w0.6: CF2.3.2 CF2.3.1 ; CF2.2.2 CF2.2.1 CF3.2.2 CF3.2.1 CF4.2.2 CF4.2.1 CF5.2.2 CF5.2.1 CF6.2.2 CF6.2.1 CF7.2.2 CF7.2.1 CF8.2.2 CF8.2.1 CF12.2.2 CF12.2.1 CF13.2.2 CF13.2.1 CF14.2.2 CF14.2.1 CF15.2.2 CF15.2.1 CF16.2.2 CF16.2.1 CF17.2.2 CF17.2.1 CF18.2.2 CF18.2.1 CF19.2.2 CF19.2.1 ; CF2.4.1 CF2.4.2
VHF-TURNSTILE: length 157.9
  Top w0.38: CM20.6.RF-DOWN 63.25,168.33 69.25,162.33 CM20.1.RF-DOWN
~{SD}: length 229.7
  Bottom w0.3: CF2.3.40 CF2.3.39 7.59,203.92 12.05,199.45 26.45,199.45 27.96,197.95 29.19,197.95 CF2.2.40 CF2.2.39 CF3.2.40 CF3.2.39 CF4.2.40 CF4.2.39 CF5.2.40 CF5.2.39 CF6.2.40 CF6.2.39 CF7.2.40 CF7.2.39 CF8.2.40 CF8.2.39 CF12.2.40 CF12.2.39 CF13.2.40 CF13.2.39 CF14.2.40 CF14.2.39 CF15.2.40 CF15.2.39 CF16.2.40 CF16.2.39 CF17.2.40 CF17.2.39 CF18.2.40 CF18.2.39 CF19.2.40 CF19.2.39 29.19,22.29 28.24,21.34 12.85,21.34 7.59,16.08 CF2.4.40 CF2.4.39
Net-(C1-Pad1): length 2.4
  Top w0.3: R2.2 C1.1 R1.2
Net-(C2-Pad1): length 2.4
  Top w0.3: R4.2 C2.1 R3.2
Net-(C3-Pad1): length 2.4
  Top w0.3: R5.2 C3.1 R6.2
Net-(C4-Pad1): length 2.4
  Top w0.3: R8.2 C4.1 R7.2

## Copper pours and planes (outline as drawn; the poured copper is in the pictures)
GND on Top: 82.58,-0.08 -0.08,-0.08 -0.08,213.58 82.58,213.58
GND on Bottom: 82.58,-0.08 -0.08,-0.08 -0.08,213.58 82.58,213.58
GND on In1.Cu: 82.58,-0.08 -0.08,-0.08 -0.08,213.58 82.58,213.58
GND on In2.Cu: 82.58,-0.08 -0.08,-0.08 -0.08,213.58 82.58,213.58
VBUS on In2.Cu: 19.85,204.09 21.59,202.35 38.99,202.35 41.45,199.89 41.45,21.21 37.59,17.35 21.99,17.35 19.75,15.11 19.75,12.75 15.75,12.75 15.75,17.79 19.21,21.25 36.41,21.25 37.25,22.09 37.25,197.71 36.71,198.25 19.51,198.25 15.65,202.11 15.65,207.95 19.85,207.95

## Text on the board
B.Silkscreen: 1 | 2 | 3 | 4 | 5 | 6 | 7 | 8 | 9 | 10 | 11 | 12 | 13 | 14 | 15 | 16 | 17 | 18 | 19 | 20 | OreSat Backplane / v2.1 (Frame 1.1)
User.Comments: SOLIDWORKS Educational Product. | For Instructional Use Only.
Top: CHECK TSTOP: OTHER CHANGES?
F.Silkscreen: 1 | 10 | 11 | 12 | 13 | 14 | 15 | 16 | 17 | 18 | 19 | 2 | 3 | 4 | 5 | 6 | 7 | 8 | 9 | 20 | OreSat Backplane / v2.1 (Frame v1.1)
